# Altium PCB smoothieboard-alt.PcbDoc (part 1 of 3) (continued)
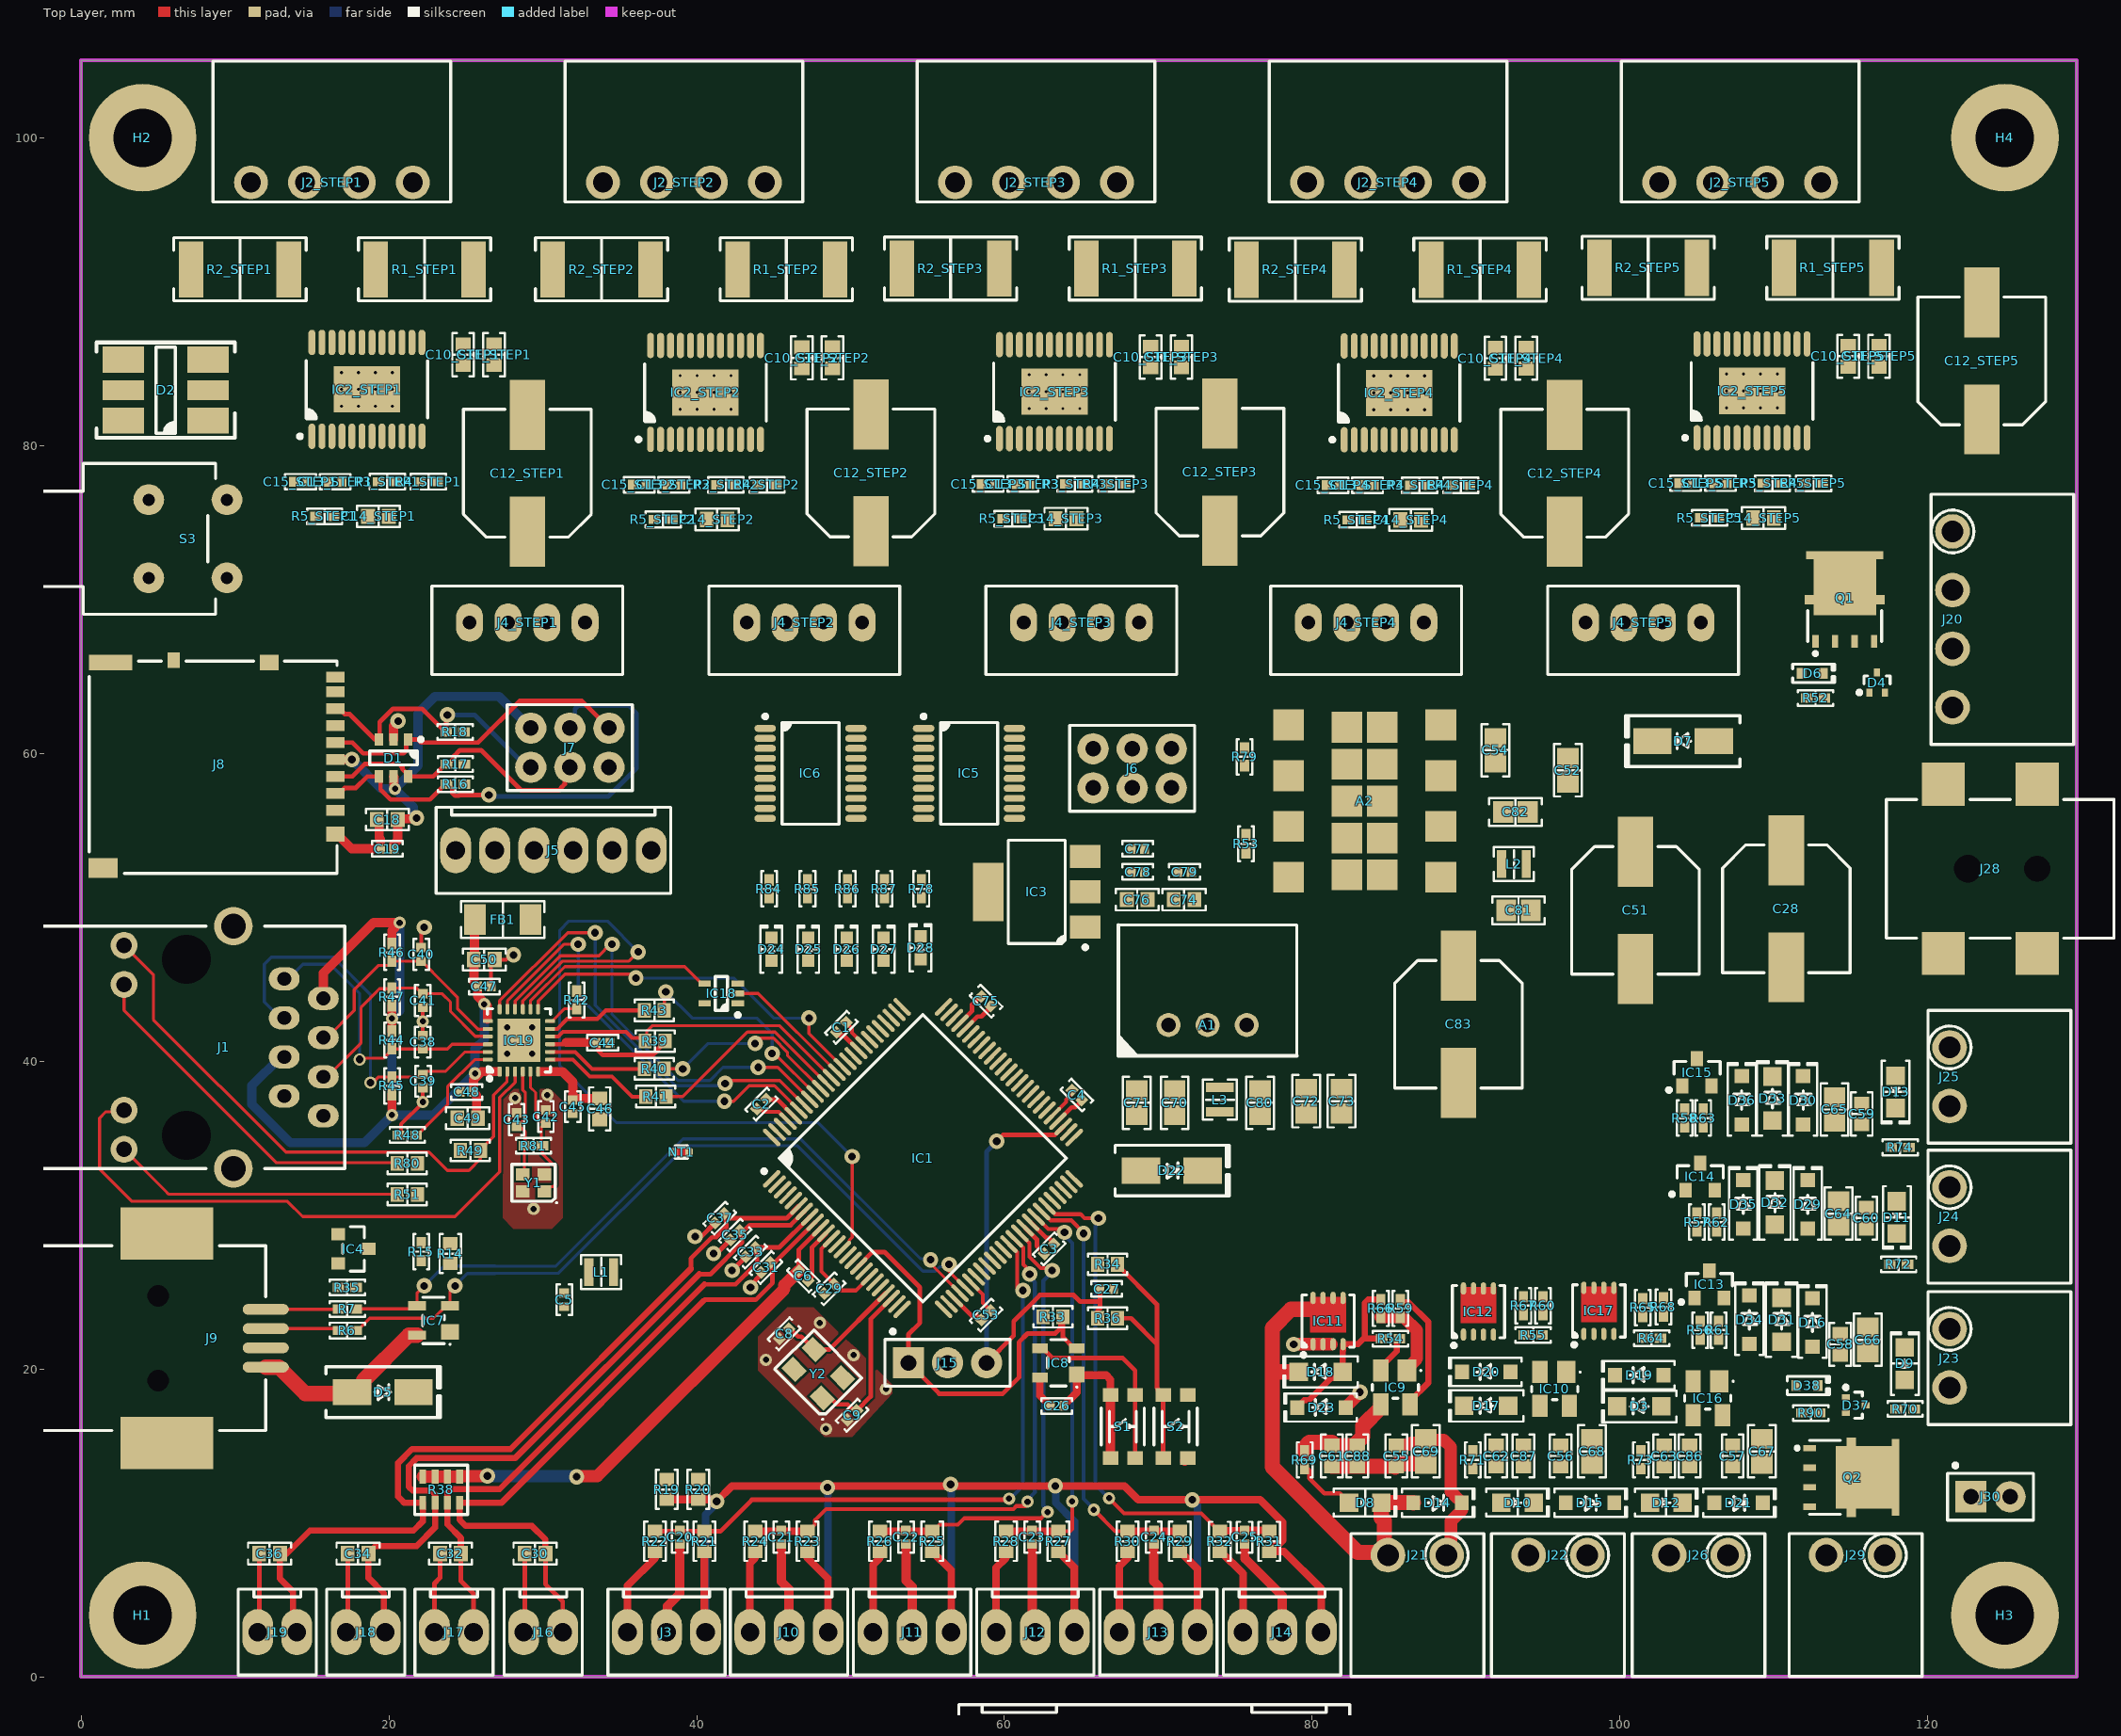
[diagram p0: Top Layer view]
## Components (designator, comment, footprint, x,y, rotation, side; value= is the part's Value field where it differs from the comment) (continued)
C48 "0.1µF" "CAP 0402_1005" 25.06,38 r0 top
C49 "1µF" "CAP 0603_1608" 25.125,36.3 r0 top
C50 "10µF" "CAP 0603_1608" 26.2,46.6 r180 top
C51 "68µF" "CAP ALSMD 8.3MM H10.5MM" 101,49.8 r270 top
C52 "0.1µF" "CAP 0805_2012" 96.6,58.9 r90 top
C53 "0.1µF" "CAP 0402_1005" 58.8,23.5 r225 top
C54 "10µF" "CAP 0805_2012" 91.9,60.2 r90 top
C55 "10µF" "CAP 0603_1608" 85.471,14.351 r90 top
C56 "10µF" "CAP 0603_1608" 96.139,14.351 r90 top
C57 "10µF" "CAP 0603_1608" 107.315,14.351 r90 top
C58 "10µF" "CAP 0603_1608" 114.3,21.6 r90 top
C59 "10µF" "CAP 0603_1608" 115.7,36.575 r90 top
C60 "10µF" "CAP 0603_1608" 116,29.8 r90 top
C61 "0.1µF" "CAP 0603_1608" 81.28,14.351 r90 top
C62 "0.1µF" "CAP 0603_1608" 91.948,14.351 r90 top
C63 "0.1µF" "CAP 0603_1608" 102.87,14.351 r90 top
C64 "1µF" "CAP 0805_2012" 114.188,30.1 r90 top
C65 "1µF" "CAP 0805_2012" 113.934,36.862 r90 top
C66 "1µF" "CAP 0805_2012" 116.1,21.9 r90 top
C67 "1µF" "CAP 0805_2012" 109.22,14.651 r90 top
C68 "1µF" "CAP 0805_2012" 98.171,14.651 r90 top
C69 "1µF" "CAP 0805_2012" 87.376,14.651 r90 top
C70 "22µF" "CAP 0805_2012" 71.058,37.3 r90 top
C71 "10µF" "CAP 0805_2012" 68.6,37.3 r90 top
C72 "470pF" "CAP 0805_2012" 79.6,37.4 r90 top
C73 "22µF" "CAP 0805_2012" 81.9,37.4 r270 top
C74 "10µF" "CAP 0603_1608" 71.675,50.5 r180 top
C75 "0.1µF" "CAP 0402_1005" 58.8,43.9 r315 top
C76 "10µF" "CAP 0603_1608" 68.625,50.5 r180 top
C77 "0.1µF" "CAP 0402_1005" 68.66,53.8 r180 top
C78 "0.1µF" "CAP 0402_1005" 68.66,52.3 r180 top
C79 "0.1µF" "CAP 0402_1005" 71.7,52.3 r180 top
C80 "4.7µF" "CAP 0805_2012" 76.6,37.3 r270 top
C81 "22µF" "CAP 0805_2012" 93.4,49.8 r180 top
C82 "10µF" "CAP 0805_2012" 93.2,56.2 r0 top
C83 "68µF" "CAP ALSMD 8.3MM H10.5MM" 89.5,42.4 r270 top
C84_STEP1 "0.1µF" "CAP 0402_1005" 97.911,115.482 r90 top (schematic designator C84)
C84_STEP2 "0.1µF" "CAP 0402_1005" 99.411,125.182 r90 top (schematic designator C84)
C84_STEP3 "0.1µF" "CAP 0402_1005" 99.411,134.882 r90 top (schematic designator C84)
C84_STEP4 "0.1µF" "CAP 0402_1005" 99.411,144.582 r90 top (schematic designator C84)
C84_STEP5 "0.1µF" "CAP 0402_1005" 99.411,154.182 r90 top (schematic designator C84)
C85_STEP1 "0.1µF" "CAP 0402_1005" 27.7,117.1 r90 top (schematic designator C85)
C85_STEP2 "0.1µF" "CAP 0402_1005" 69.511,125.182 r90 top (schematic designator C85)
C85_STEP3 "0.1µF" "CAP 0402_1005" 69.511,134.882 r90 top (schematic designator C85)
C85_STEP4 "0.1µF" "CAP 0402_1005" 69.511,144.582 r90 top (schematic designator C85)
C85_STEP5 "0.1µF" "CAP 0402_1005" 69.511,154.182 r90 top (schematic designator C85)
C86 "4.7µF" "CAP 0603_1608" 104.521,14.351 r90 top
C87 "4.7µF" "CAP 0603_1608" 93.726,14.351 r90 top
C88 "4.7µF" "CAP 0603_1608" 82.931,14.351 r90 top
D1 "DT1042-04SO-7" "DIODES SOT-23-6 W6" 20.3,59.7 r270 top
D2 "Red, Green, Blue (RGB)" "LED PLCC6-CREE 5.5X5.3MM" 5.5,83.6 r180 top
D3 "ATV02W360-HF" SOD123F 101.242,17.568 r180 top
D4 "BZX84C10T-7-F" "DIODES SOT-523" 116.7,64.6 r90 top
D5 "MBRA210LT3G" "DO214AC SMA" 19.6,18.5 r0 top
D6 "1SS400T5G" SOD-523 112.49,65.2 r0 top
D7 "MBRA210LT3G" "DO214AC SMA" 104.1,60.8 r180 top
D8 "Red" "LED 0805_2012 RED" 83.439,11.319 r0 top
D9 "Red" "LED 0805_2012 RED" 118.5,20.35 r90 top
D10 "Green" "LED 0805_2012 GREEN" 93.345,11.319 r0 top
D11 "Green" "LED 0805_2012 GREEN" 117.983,29.845 r270 top
D12 "Blue" "LED 0805_2012 BLUE" 102.997,11.319 r0 top
D13 "Blue" "LED 0805_2012 BLUE" 117.9,38 r270 top
D14 "1N6263W-7-F" SOD-123 88.138,11.303 r0 top
D15 "1N6263W-7-F" SOD-123 98.044,11.303 r0 top
D16 "1N6263W-7-F" SOD-123 112.5,23.025 r90 top
D17 "ATV02W360-HF" SOD123F 91.3,17.6 r180 top
D18 "ATV02W360-HF" SOD123F 80.544,19.808 r180 top
D19 "TV02W150B-G" SOD-123 101.25,19.6 r180 top
D20 "TV02W150B-G" SOD-123 91.3,19.8 r180 top
D21 "1N6263W-7-F" SOD-123 107.696,11.303 r0 top
D22 "MBRA210LT3G" "DO214AC SMA" 70.866,32.893 r0 top
D23 "TV02W150B-G" SOD-123 80.6,17.5 r180 top
D24 "Red" "LED 0603_1608 RED" 44.85,47.275 r90 top
D25 "Red" "LED 0603_1608 RED" 47.25,47.275 r90 top
D26 "Red" "LED 0603_1608 RED" 49.75,47.275 r90 top
D27 "Red" "LED 0603_1608 RED" 52.15,47.275 r90 top
D28 "Red" "LED 0603_1608 RED" 54.55,47.375 r90 top
D29 "1N6263W-7-F" SOD-123 112.2,30.7 r90 top
D30 "1N6263W-7-F" SOD-123 111.9,37.462 r90 top
D31 "SMF14A" SOD123F 110.5,23.2 r90 top
D32 "SMF14A" SOD123F 110.062,30.813 r90 top
D33 "SMF14A" SOD123F 109.9,37.575 r90 top
D34 "TV02W150B-G" SOD-123 108.4,23.2 r90 top
D35 "TV02W150B-G" SOD-123 108,30.7 r90 top
D36 "TV02W150B-G" SOD-123 107.9,37.462 r90 top
D37 "BZX84C10T-7-F" "DIODES SOT-523" 115.316,17.653 r0 top
D38 "1SS400T5G" SOD-523 112.141,18.923 r0 top
D39_STEP1 "SMF4L40CA" SOD123F 27.5,113.5 r90 top (schematic designator D39)
D39_STEP2 "SMF4L40CA" SOD123F 85.611,122.382 r90 top (schematic designator D39)
D39_STEP3 "SMF4L40CA" SOD123F 85.611,132.082 r90 top (schematic designator D39)
D39_STEP4 "SMF4L40CA" SOD123F 85.611,141.782 r90 top (schematic designator D39)
D39_STEP5 "SMF4L40CA" SOD123F 85.611,151.482 r90 top (schematic designator D39)
D40_STEP1 "SMF4L40CA" SOD123F 27.5,120.67 r90 top (schematic designator D40)
D40_STEP2 "SMF4L40CA" SOD123F 55.711,122.382 r90 top (schematic designator D40)
D40_STEP3 "SMF4L40CA" SOD123F 55.711,132.082 r90 top (schematic designator D40)
D40_STEP4 "SMF4L40CA" SOD123F 55.711,141.782 r90 top (schematic designator D40)
D40_STEP5 "SMF4L40CA" SOD123F 55.711,151.482 r90 top (schematic designator D40)
FB1 "946 Ohms @ 100MHz" "FER 1206_3216" 27.4,49.2 r180 top
G1 "OSH LOGO" OSH_LOGO -13.697,20.9 r0 top
G2 "OSH LOGO" OSH_LOGO -13.697,8.9 r0 top
H1 "PTH" PTH-M3.5 4,4 r0 top locked
H2 "PTH" PTH-M3.5 4,100 r0 top locked
H3 "PTH" PTH-M3.5 125,4 r0 top locked
H4 "PTH" PTH-M3.5 125,100 r0 top locked
IC1 "LPC1769FBD100,551" "NXP LQFP-100 14X14MM" 54.7,33.7 r45 top
IC2_STEP1 "A4982SLPTR-T" "ALLEGRO TSSOP-24 LP" 18.575,83.65 r90 top (schematic designator IC2)
IC2_STEP2 "A4982SLPTR-T" "ALLEGRO TSSOP-24 LP" 40.575,83.45 r90 top (schematic designator IC2)
IC2_STEP3 "A4982SLPTR-T" "ALLEGRO TSSOP-24 LP" 63.25,83.5 r90 top (schematic designator IC2)
IC2_STEP4 "A4982SLPTR-T" "ALLEGRO TSSOP-24 LP" 85.65,83.425 r90 top (schematic designator IC2)
IC2_STEP5 "A4982SLPTR-T" "ALLEGRO TSSOP-24 LP" 108.575,83.55 r90 top (schematic designator IC2)
IC3 "NCP1117LPST33T3G" "ON SEMI SOT-223 ST(318H)" 62.1,51 r180 top
IC4 "DMG2305UX-13" "DIODES SOT-23-3" 17.7,27.8 r0 top
IC5 "MCP4451-103E/ST" "MICROCHIP TSSOP-20 4.4MM BODY" 57.7,58.7 r0 top
IC6 "MCP4451-103E/ST" "MICROCHIP TSSOP-20 4.4MM BODY" 47.4,58.7 r0 top
IC7 "PRTR5V0U2X,215" SOT143B 22.902,23.152 r180 top
IC8 "STM6315MDW13F" "ST SOT-143-4" 63.5,20.4 r180 top
IC9 "MIC4416YM4-TR" "MICROCHIP SOT-143-4" 85.4,18.8 r270 top
IC10 "MIC4416YM4-TR" "MICROCHIP SOT-143-4" 95.75,18.7 r270 top
IC11 "BSZ0702LSATMA1" "INFINEON PG-TSDSON-8" 81.026,23.114 r90 top
IC12 "BSZ0702LSATMA1" "INFINEON PG-TSDSON-8" 90.797,23.73 r90 top
IC13 "IRLML0060TRPBF" "INFINEON SOT-23-3" 105.8,25.5 r90 top
IC14 "IRLML0060TRPBF" "INFINEON SOT-23-3" 105.2,32.5 r90 top
IC15 "IRLML0060TRPBF" "INFINEON SOT-23-3" 105,39.275 r90 top
IC16 "MIC4416YM4-TR" "MICROCHIP SOT-143-4" 105.7,18.1 r270 top
IC17 "BSZ0702LSATMA1" "INFINEON PG-TSDSON-8" 98.621,23.776 r90 top
IC18 "74AHC1G14SE-7" "DIODES INC - SOT353" 41.6,44.4 r180 top
IC19 "LAN8720AI-CP" "SMSC QFN-24 4X4MM" 28.45,41.35 r90 top
J1 "ARJC02-111008B" "ABRACON ARJC02-111008B" 6.6,40.9 r270 top locked
J2_STEP1 "0395021004" "MOLEX 395021004" 16.3,100.4 r0 top (schematic designator J2)
J2_STEP2 "0395021004" "MOLEX 395021004" 39.175,100.4 r0 top (schematic designator J2)
J2_STEP3 "0395021004" "MOLEX 395021004" 62.05,100.4 r0 top (schematic designator J2)
J2_STEP4 "0395021004" "MOLEX 395021004" 84.925,100.4 r0 top (schematic designator J2)
J2_STEP5 "0395021004" "MOLEX 395021004" 107.8,100.4 r0 top (schematic designator J2)
J3 "0022272031" "MOLEX KK 0022272031" 38.04,2.9 r180 top
J4_STEP1 "B4B-XH-A(LF)(SN)" "JST XH B4B-XH-A" 29,68.5 r0 top (schematic designator J4)
J4_STEP2 "B4B-XH-A(LF)(SN)" "JST XH B4B-XH-A" 47,68.5 r0 top (schematic designator J4)
J4_STEP3 "B4B-XH-A(LF)(SN)" "JST XH B4B-XH-A" 65,68.5 r0 top (schematic designator J4)
J4_STEP4 "B4B-XH-A(LF)(SN)" "JST XH B4B-XH-A" 83.5,68.5 r0 top (schematic designator J4)
J4_STEP5 "B4B-XH-A(LF)(SN)" "JST XH B4B-XH-A" 101.5,68.5 r0 top (schematic designator J4)
J5 "0022272061" "MOLEX KK 0022272061" 30.69,53.7 r180 top
J6 "'" PROG_PORT 65.76,60.3 r0 top
J7 "'" PROG_PORT 29.22,61.64 r0 top
J8 "DM3AT-SF-PEJM5" "HIROSE DM3AT-SF-PEJM5" 8.7,59.5 r270 top locked
J9 "M701-370442" "HARWIN USB M701-370442" 5,22 r270 top locked
J10 "0022272031" "MOLEX KK 0022272031" 46,2.9 r180 top
J11 "0022272031" "MOLEX KK 0022272031" 54,2.9 r180 top
J12 "0022272031" "MOLEX KK 0022272031" 62,2.9 r180 top
J13 "0022272031" "MOLEX KK 0022272031" 70,2.9 r180 top
J14 "0022272031" "MOLEX KK 0022272031" 78.04,2.9 r180 top
J15 "JUMP1X3" JUMP1X3 53.76,20.4 r0 top
J16 "0022272021" "MOLEX KK 0022272021" 30.03,2.9 r180 top
J17 "0022272021" "MOLEX KK 0022272021" 24.23,2.9 r180 top
J18 "0022272021" "MOLEX KK 0022272021" 18.5,2.9 r180 top
J19 "0022272021" "MOLEX KK 0022272021" 12.75,2.9 r180 top
J20 "OQ0432510000G" "FCI 06-381-4PIN" 124.902,68.705 r270 top
J21 "OQ0232510000G" "FCI 06-381-2PIN" 86.826,4.6 r180 top
J22 "OQ0232510000G" "FCI 06-381-2PIN" 95.963,4.6 r180 top
J23 "OQ0232510000G" "FCI 06-381-2PIN" 124.714,20.701 r270 top
J24 "OQ0232510000G" "FCI 06-381-2PIN" 124.714,29.9 r270 top
J25 "OQ0232510000G" "FCI 06-381-2PIN" 124.714,38.989 r270 top
J26 "OQ0232510000G" "FCI 06-381-2PIN" 105.1,4.6 r180 top
J27 "0022272101" "MOLEX KK 0022272101" 69.73,-4.6 r180 top
J28 "PJ-002AH-SMT-TR" "CUI PJ-002AH-SMT-TR" 124.85,52.5 r180 top
J29 "OQ0232510000G" "FCI 06-381-2PIN" 115.3,4.6 r180 top
J30 "JUMP1X2" JUMP1X2 122.8,11.7 r0 top
L1 "6.8µH" "IND 0806_2016" 33.8,26.3 r0 top
L2 "15µH" "IND 0806_2016" 93.1,52.8 r0 top
L3 "15µH" "IND 0806_2016" 74,37.5 r270 top
NT1 "NETTIE" NETTIE 38.5,34.1 r0 top net-tie
NT2 "NETTIE" NETTIE 287.5,19.25 r90 top net-tie
Q1 "SQJ459EP-T1_GE3" "POWER PAK SO-8" 112.695,67.284 r0 top
Q2 "SQJ459EP-T1_GE3" "POWER PAK SO-8" 112.308,14.859 r270 top
R1_STEP1 "50 mOhms" "RES 2512_6432" 22.325,91.45 r0 top (schematic designator R1)
R1_STEP2 "50 mOhms" "RES 2512_6432" 45.825,91.45 r0 top (schematic designator R1)
R1_STEP3 "50 mOhms" "RES 2512_6432" 68.5,91.5 r0 top (schematic designator R1)
R1_STEP4 "50 mOhms" "RES 2512_6432" 90.9,91.425 r0 top (schematic designator R1)
R1_STEP5 "50 mOhms" "RES 2512_6432" 113.825,91.55 r0 top (schematic designator R1)
R2_STEP1 "50 mOhms" "RES 2512_6432" 10.325,91.45 r180 top (schematic designator R2)
R2_STEP2 "50 mOhms" "RES 2512_6432" 33.825,91.45 r180 top (schematic designator R2)
R2_STEP3 "50 mOhms" "RES 2512_6432" 56.5,91.5 r180 top (schematic designator R2)
R2_STEP4 "50 mOhms" "RES 2512_6432" 78.9,91.425 r180 top (schematic designator R2)
R2_STEP5 "50 mOhms" "RES 2512_6432" 101.825,91.55 r180 top (schematic designator R2)
R3_STEP1 "10 kOhms" "RES 0402_1005" 19.9,77.65 r0 top (schematic designator R3)
R3_STEP2 "10 kOhms" "RES 0402_1005" 41.9,77.45 r0 top (schematic designator R3)
R3_STEP3 "10 kOhms" "RES 0402_1005" 64.575,77.5 r0 top (schematic designator R3)
R3_STEP4 "10 kOhms" "RES 0402_1005" 86.975,77.425 r0 top (schematic designator R3)
R3_STEP5 "10 kOhms" "RES 0402_1005" 109.9,77.55 r0 top (schematic designator R3)
R4_STEP1 "10 kOhms" "RES 0402_1005" 22.575,77.65 r180 top (schematic designator R4)
R4_STEP2 "10 kOhms" "RES 0402_1005" 44.575,77.45 r180 top (schematic designator R4)
R4_STEP3 "10 kOhms" "RES 0402_1005" 67.25,77.5 r180 top (schematic designator R4)
R4_STEP4 "10 kOhms" "RES 0402_1005" 89.65,77.425 r180 top (schematic designator R4)
R4_STEP5 "10 kOhms" "RES 0402_1005" 112.575,77.55 r180 top (schematic designator R4)
R5_STEP1 "10 kOhms" "RES 0402_1005" 15.825,75.4 r0 top (schematic designator R5)
R5_STEP2 "10 kOhms" "RES 0402_1005" 37.825,75.2 r0 top (schematic designator R5)
R5_STEP3 "10 kOhms" "RES 0402_1005" 60.5,75.25 r0 top (schematic designator R5)
R5_STEP4 "10 kOhms" "RES 0402_1005" 82.9,75.175 r0 top (schematic designator R5)
R5_STEP5 "10 kOhms" "RES 0402_1005" 105.825,75.3 r0 top (schematic designator R5)
R6 "33 Ohms" "RES 0402_1005" 17.3,22.5 r180 top
R7 "33 Ohms" "RES 0402_1005" 17.3,23.9 r180 top
R8 "10 kOhms" "RES 0402_1005" 145.991,64.635 r0 top
R9 "2.2 kOhms" "RES 0402_1005" 148.935,64.635 r0 top
R10 "2.2 kOhms" "RES 0402_1005" 135.344,64 r90 top
R11 "33 kOhms" "RES 0402_1005" 140.366,64 r90 top
R12 "33 kOhms" "RES 0402_1005" 138.692,64 r90 top
R13 "10 kOhms" "RES 0402_1005" 137.018,64 r90 top
R14 "10 kOhms" "RES 0603_1608" 24,27.5 r90 top
R15 "2.2 kOhms" "RES 0402_1005" 22.1,27.625 r90 top
R16 "10 kOhms" "RES 0402_1005" 24.325,58 r180 top
R17 "10 kOhms" "RES 0402_1005" 24.325,59.3 r180 top
R18 "10 kOhms" "RES 0402_1005" 24.3,61.4 r180 top
R19 "0 Ohms" "RES 0603_1608" 38.055,12.177 r270 top
R20 "NP" "RES 0603_1608" 40.113,12.177 r270 top
R21 "10 kOhms" "RES 0603_1608" 40.5,8.801 r90 top
R22 "330 Ohms" "RES 0603_1608" 37.3,8.801 r270 top
R23 "10 kOhms" "RES 0603_1608" 47.2,8.801 r90 top
R24 "330 Ohms" "RES 0603_1608" 43.8,8.801 r270 top
R25 "10 kOhms" "RES 0603_1608" 55.3,8.801 r90 top
R26 "330 Ohms" "RES 0603_1608" 51.9,8.801 r270 top
R27 "10 kOhms" "RES 0603_1608" 63.5,8.801 r90 top
R28 "330 Ohms" "RES 0603_1608" 60.1,8.801 r270 top
R29 "10 kOhms" "RES 0603_1608" 71.4,8.801 r90 top
R30 "330 Ohms" "RES 0603_1608" 68,8.801 r270 top
R31 "10 kOhms" "RES 0603_1608" 77.2,8.8 r90 top
R32 "330 Ohms" "RES 0603_1608" 74,8.8 r270 top
R33 "10 kOhms" "RES 0603_1608" 63.15,23.4 r180 top
R34 "10 kOhms" "RES 0603_1608" 66.7,26.8 r0 top
R35 "1.5 kOhms" "RES 0402_1005" 17.3,25.3 r180 top
R36 "330 Ohms" "RES 0603_1608" 66.7,23.3 r0 top
R37 "10 kOhms" "RES 0603_1608" 143.119,77.449 r90 top
R38 "RAVF164DJT4K70" "RESNET 1206-8 CONVEX" 23.4,12.15 r90 top
R39 "10 kOhms" "RES 0603_1608" 37.3,41.3 r0 top
R40 "22 Ohms" "RES 0603_1608" 37.25,39.5 r0 top
R41 "22 Ohms" "RES 0603_1608" 37.35,37.7 r0 top
R42 "1.5 kOhms" "RES 0402_1005" 32.2,43.975 r270 top
R43 "22 Ohms" "RES 0603_1608" 37.25,43.3 r0 top
R44 "49.9 Ohms" "RES 0402_1005" 20.2,41.375 r90 top
R45 "49.9 Ohms" "RES 0402_1005" 20.2,38.4 r270 top
R46 "49.9 Ohms" "RES 0402_1005" 20.2,47.075 r90 top
R47 "49.9 Ohms" "RES 0402_1005" 20.2,44.175 r270 top
R48 "12.1 kOhms" "RES 0402_1005" 21.2,35.2 r0 top
R49 "10 kOhms" "RES 0603_1608" 25.3,34.2 r180 top
R50 "330 Ohms" "RES 0603_1608" 141.061,77.449 r90 top
R51 "330 Ohms" "RES 0603_1608" 21.2,31.35 r0 top
R52 "10 kOhms" "RES 0402_1005" 112.7,63.6 r0 top
R53 "2.7 kOhms" "RES 0402_1005" 75.7,54.125 r270 top
R54 "24 Ohms" "RES 0402_1005" 85.09,21.971 r180 top
R55 "24 Ohms" "RES 0402_1005" 94.353,22.206 r180 top
R56 "24 Ohms" "RES 0402_1005" 105.2,22.525 r90 top
R57 "24 Ohms" "RES 0402_1005" 105,29.543 r90 top
R58 "24 Ohms" "RES 0402_1005" 104.2,36.305 r90 top
R59 "10 kOhms" "RES 0402_1005" 85.725,23.936 r90 top
R60 "10 kOhms" "RES 0402_1005" 94.988,24.111 r90 top
R61 "10 kOhms" "RES 0402_1005" 106.4,22.525 r90 top
R62 "10 kOhms" "RES 0402_1005" 106.274,29.543 r90 top
R63 "10 kOhms" "RES 0402_1005" 105.4,36.305 r90 top
R64 "24 Ohms" "RES 0402_1005" 102.05,21.998 r180 top
R65 "10 kOhms" "RES 0402_1005" 101.475,23.99 r90 top
R66 "10 kOhms" "RES 0402_1005" 84.455,23.936 r90 top
R67 "10 kOhms" "RES 0402_1005" 93.718,24.111 r90 top
R68 "10 kOhms" "RES 0402_1005" 102.812,24.03 r270 top
R69 "1 kOhms" "RES 0402_1005" 79.502,14.094 r270 top
R70 "1 kOhms" "RES 0402_1005" 118.525,17.4 r0 top
R71 "1 kOhms" "RES 0402_1005" 90.424,14.094 r270 top
R72 "1 kOhms" "RES 0402_1005" 118.1,26.8 r0 top
R73 "1 kOhms" "RES 0402_1005" 101.346,14.094 r270 top
R74 "1 kOhms" "RES 0402_1005" 118.2,34.4 r0 top
R75 "5.9 Ohms" "RES 0402_1005" 156.565,77.576 r90 top
R76 "5.9 Ohms" "RES 0402_1005" 154.891,77.576 r90 top
R77 "66.5 Ohms" "RES 0402_1005" 153.217,77.576 r90 top
R78 "130 Ohms" "RES 0402_1005" 54.6,51.2 r270 top
R79 "243 kOhms" "RES 0402_1005" 75.6,59.775 r90 top
R80 "330 Ohms" "RES 0603_1608" 21.2,33.35 r0 top
R81 "1 MOhms" "RES 0402_1005" 29.4,34.5 r0 top
R82 "0 Ohms" "RES 0603_1608" 147.235,77.449 r90 top
R83 "NP" "RES 0603_1608" 151.351,77.449 r90 top
R84 "130 Ohms" "RES 0402_1005" 44.7,51.2 r270 top
R85 "130 Ohms" "RES 0402_1005" 47.2,51.2 r270 top
R86 "130 Ohms" "RES 0402_1005" 49.8,51.2 r270 top
R87 "130 Ohms" "RES 0402_1005" 52.2,51.2 r270 top
R88 "0 Ohms" "RES 0603_1608" 136.5,84.1 r90 top
R89 "0 Ohms" "RES 0603_1608" 134.1,84.3 r90 top
R90 "10 kOhms" "RES 0402_1005" 112.395,17.145 r180 top
S1 "KMR741NG ULC LFS" "C&K KMR7" 67.691,16.256 r270 top
S2 "KMR741NG ULC LFS" "C&K KMR7" 71.12,16.256 r270 top
S3 "AB11AH-HC" "NKK AB11AH-HC" 4.4,73.94 r90 top
Y1 "25MHz" "KYOCERA CX2016DB" 29.4,32.1 r180 top
Y2 "12MHz" "KYOCERA CX3225GB" 47.9,19.7 r135 top

## Footprints (in the part's own frame and the unit in brackets; to place one, negate y for a bottom-side part, rotate by r counter-clockwise, add the part's x,y. Pads: shape width x height; smd on the part's side, far side on the other; paste and mask are expansions set on the pad)
"ABRACON ARJC02-111008B" [mm]
  oval 1.5x2 hole 0.9: 1(-4.445,6.6) 2(-3.175,9.14) 3(-1.905,6.6) 4(-0.635,9.14) 5(0.635,6.6) 6(1.905,9.14) 7(3.175,6.6) 8(4.445,9.14)
  round 1.75 hole 1.02: 9(-6.63,-3.81) 10(-4.09,-3.81) 11(4.09,-3.81) 12(6.63,-3.81)
  round 0 hole 3.2 unplated: M(-5.715,0.25) M(5.715,0.25)
  round 2.5 hole 1.6: S(-7.875,3.3) S(7.875,3.3)
  silkscreen extent -7.87,-10.54 7.87,10.54, body extent -10.34,-10.55 10.34,10.55, height 16.07
"ALLEGRO TSSOP-24 LP" [mm] "TSSOP, 24-Leads, Body 7.80x4.40mm, Pitch 0.65mm, Thermal Pad 4.32x3.00mm, IPC Medium Density"
  oval 1.65x0.45 smd: 1(-3.05,3.575) 2(-3.05,2.925) 3(-3.05,2.275) 4(-3.05,1.625) 5(-3.05,0.975) 6(-3.05,0.325) 7(-3.05,-0.325) 8(-3.05,-0.975) 9(-3.05,-1.625) 10(-3.05,-2.275) 11(-3.05,-2.925) 12(-3.05,-3.575) 13(3.05,-3.575) 14(3.05,-2.925) 15(3.05,-2.275) 16(3.05,-1.625) 17(3.05,-0.975) 18(3.05,-0.325) 19(3.05,0.325) 20(3.05,0.975) 21(3.05,1.625) 22(3.05,2.275) 23(3.05,2.925) 24(3.05,3.575)
  rect 3x4.32 smd: 25(0,0)
  silkscreen extent -3.17,-3.95 1.85,4.47, body extent -3.21,-3.9 3.21,3.9, height 1.2
"C&K KMR7" [mm] "T-Switch, 4-leads, body 4.2x2.8mm, C&K KMR741NG ULC LFS"
  rect 0.9x1 smd mask+0.1: 1(-2.05,0.8) 2(2.05,0.8) 3(-2.05,-0.8) 4(2.05,-0.8)
  silkscreen extent -1.2,-1.4 1.2,1.4, body extent -2.3,-1.4 2.3,1.4, height 2.5
"CAP 0402_1005" [mm] "Chip Capacitor, 2-Leads, Body 1.02x0.51mm, IPC Medium Density"
  rect 0.6x0.64 smd: 1(-0.44,0) 2(0.44,0)
  silkscreen extent -1,-0.5 1,0.5, body extent -0.5,-0.26 0.5,0.26, height 0.52
"CAP 0603_1608" [mm] "Chip Capacitor, 2-Leads, Body 1.60x0.80mm, IPC Medium Density"
  rect 0.9x1 smd: 1(-0.675,0) 2(0.675,0)
  silkscreen extent -1.4,-0.7 1.4,0.7, body extent -0.8,-0.41 0.8,0.41, height 0.82
"CAP 0805_2012" [mm] "Chip Capacitor, 2-Leads, Body 2.00x1.20mm, IPC Medium Density"
  rect 1.3x1.4 smd: 1(-0.8,0) 2(0.8,0)
  silkscreen extent -1.7,-0.9 1.7,0.9, body extent -1,-0.64 1,0.64, height 1.26
"CAP ALSMD 8.3MM H10.5MM" [mm] "Aluminum Electrolytic Capacitor, Body 8.30x8.30x10.50mm, IPC Low Density"
  rect 4.55x2.3 smd: 1(-3.8,0) 2(3.8,0)
  silkscreen extent -4.15,-4.15 4.15,4.15, body extent -4.95,-4.15 4.95,4.15, height 10.5
"CUI PJ-002AH-SMT-TR" [mm]
  rect 2.8x2.8 smd: 1(-2.25,5.5) 1(3.85,5.5) 2(-2.25,-5.5) 3(3.85,-5.5)
  round 0 hole 1.7 unplated: M(-2.25,0)
  round 0 hole 1.8 unplated: M(2.25,0)
  silkscreen extent -7.25,-4.5 7.55,4.5, body extent -7.25,-6.3 7.55,6.3, height 11.4
"DIODES INC - SOT353" [mm] "SOT353, 5-Leads, Body 2.00x2.10mm, Pitch 0.65mm, IPC Medium Density"
  rect 0.8x0.4 smd: 1(-1.075,0.65) 2(-1.075,0) 3(-1.075,-0.65) 4(1.075,-0.65) 5(1.075,0.65)
  silkscreen extent -1.2,-1.1 0.4,1.52, body extent -1.12,-1 1.12,1, height 1.1
"DIODES SOT-23-3" [mm] "SOT23, 3-Leads, Body 2.90x2.40mm, Pitch 0.95mm, IPC Medium Density"
  rect 0.9x0.8 smd: 1(-1,0.95) 2(-1,-0.95) 3(1,0)
  silkscreen extent -0.7,-1.45 0.7,1.45, body extent -1.41,-1.45 1.41,1.45, height 1.5
"DIODES SOT-23-6 W6" [mm] "SOT23, 6-Leads, Body 3.00x2.85mm, Pitch 0.95mm, IPC Medium Density"
  rect 0.8x0.55 smd: 1(-1.2,0.95) 2(-1.2,0) 3(-1.2,-0.95) 4(1.2,-0.95) 5(1.2,0) 6(1.2,0.95)
  silkscreen extent -1.32,-1.55 0.45,1.9, body extent -1.19,-1.45 1.2,1.45, height 1
"DIODES SOT-523" [mm] "SOT523, 3-Leads, Body 0.8x1.60mm, Pitch 0.50mm, IPC Medium Density"
  rect 0.51x0.4 smd: 1(-0.65,0.5) 2(0.65,0) 3(-0.65,-0.5)
  silkscreen extent -0.77,-0.85 0.42,1.27, body extent -0.81,-0.8 0.81,0.8, height 0.82
"DO214AC SMA" [mm] "Molded Diode, 2-Leads, Body 4.30x2.60mm, IPC Medium Density"
  rect 2.5x1.7 smd: 1(-2,0) 2(2,0)
  silkscreen extent -3.68,-1.65 3.75,1.65, body extent -2.6,-1.37 2.6,1.37, height 2.4
"FCI 06-381-2PIN" [mm] "FCI Pluggable Terminal Block"
  round 2.25 hole 1.4: 1(-1.905,-3.302) 2(1.905,-3.302)
  silkscreen extent -4.32,-4.7 4.32,4.57, body extent -4.4,-4.7 4.4,4.5, height 7.6
"FCI 06-381-4PIN" [mm] "FCI Pluggable Terminal Block"
  round 2.25 hole 1.4: 1(-5.715,-3.302) 2(-1.905,-3.302) 3(1.905,-3.302) 4(5.715,-3.302)
  silkscreen extent -8.13,-4.7 8.13,4.57, body extent -8.21,-4.7 8.22,4.5, height 7.6
"FER 1206_3216" [mm] "Chip Ferrite, 2-Leads, Body 3.20x1.60mm, IPC Medium Density"
  rect 1.4x2 smd: 1(-1.8,0) 2(1.8,0)
  silkscreen extent -2.7,-1.2 2.7,1.2, body extent -1.65,-0.85 1.65,0.85, height 1.3
"HARWIN USB M701-370442" [mm]
  oval 0.7x3 smd: 1(1.875,7) 2(-0.625,7) 3(-1.875,7) 4(0.625,7)
  rect 0x0 hole 1.4 unplated: M(-2.75,0) M(2.75,0)
  rect 3.4x6.04 smd: S(-6.8,0.58) S(6.8,0.58)
  silkscreen extent -6,-9 6,7, body extent -8.1,-9 8.1,8.15, height 11
"HIROSE DM3AT-SF-PEJM5" [mm]
  rect 0.7x1.2 smd: 1(3.2,7.825) 2(2.1,7.825) 3(1,7.825) 4(-0.1,7.825) 5(-1.2,7.825) 6(-2.3,7.825) 7(-3.4,7.825) 8(-4.5,7.825) 9(-5.45,7.825)
  rect 1x0.8 smd: 10(-6.55,-2.675)
  rect 1x1.2 smd: S(-6.4,3.525) S(4.75,7.825)
  rect 1x2.8 smd: S(-6.4,-6.775)
  rect 1.3x1.9 smd: S(6.95,-7.275)
  silkscreen extent -6.5,-8.18 7.3,7.93, body extent -6.52,-8.18 7.32,7.97, height 1.68
"IND 0806_2016" [mm] "Chip Capacitor, 2-Leads, Body 2.00x1.20mm, IPC Medium Density"
  rect 0.6x1.8 smd: 1(-0.8,0) 2(0.8,0)
  silkscreen extent -1.3,-1.1 1.3,1.1, body extent -1.01,-0.91 1.01,0.91, height 1.81
"INFINEON PG-TSDSON-8" [mm] "PG-TSDSOFN, 8-Leads, Body 3.30x3.30mm, Pitch 0.65mm, Thermal Pad 1.70x1.70mm, IPC Medium Density"
  oval 0.8x0.34 smd: 1(-1.5,0.975) 2(-1.5,0.325) 3(-1.5,-0.325) 4(-1.5,-0.975) 5(1.5,-0.975) 6(1.5,-0.325) 7(1.5,0.325) 8(1.5,0.975)
  Top Layer region: -0.725,1.15 1.575,1.15 1.575,-1.15 -0.725,-1.15
  silkscreen extent -2.32,-1.7 1.7,1.72, body extent -1.7,-1.7 1.7,1.7, height 1.1
"INFINEON SOT-23-3" [mm] "SOT23, 3-Leads, Body 2.90x2.40mm, Pitch 0.95mm, IPC Medium Density"
  rect 0.972x0.802 smd: 1(-0.885,0.95) 2(-0.885,-0.95) 3(0.885,0)
  silkscreen extent -1.27,-1.5 0.7,1.95, body extent -1.16,-1.45 1.16,1.45, height 1
"JST XH B4B-XH-A" [mm]
  oval 1.75x2.5 hole 0.9: 1(-3.75,0) 2(-1.25,0) 3(1.25,0) 4(3.75,0)
  silkscreen extent -6.2,-3.38 6.2,2.38, body extent -6.2,-3.38 6.2,2.38, height 7
JUMP1X2 [mil] "JUMPER, 1X3"
  rect 80x80 hole 40: 1(0,0)
  round 80 hole 40: 2(100,0)
  silkscreen extent -60,-60 160,85
JUMP1X3 [mil] "JUMPER, 1X3"
  rect 80x80 hole 40: 1(0,0)
  round 80 hole 40: 2(100,0) 3(200,0)
  silkscreen extent -60,-60 260,85
"KYOCERA CX2016DB" [mm] "Crystal, 4-Leads, Body 1.60x2.00mm, Pitch 1.40mm, IPC Medium Density"
  rect 0.9x0.8 smd: 1(-0.7,0.55) 2(-0.7,-0.55) 3(0.7,-0.55) 4(0.7,0.55)
  silkscreen extent -1.55,-1.2 1.4,1.35, body extent -1.02,-0.82 1.03,0.83, height 0.4
"KYOCERA CX3225GB" [mm] "Crystal, 4-Leads, Body 2.50x3.20mm, Pitch 2.20mm, IPC Medium Density"
  rect 1.3x1.05 smd: 1(-1.3,0.925) 2(-1.3,-0.925) 3(1.3,-0.925) 4(1.3,0.925)
  silkscreen extent -2.35,-1.8 2.2,1.95, body extent -1.61,-1.26 1.61,1.26, height 0.85
"LED 0603_1608 RED" [mm] "Chip Diode, 2-Leads, Body 1.60x0.80mm, IPC Medium Density"
  rect 0.8x0.8 smd: 1(-0.75,0) 2(0.75,0)
  silkscreen extent -1.52,-0.7 1.52,0.7, body extent -0.8,-0.4 0.8,0.4, height 0.53
"LED 0805_2012 BLUE" [mm] "Chip Diode, 2-Leads, Body 2.00x1.25mm, IPC Medium Density"
  rect 1.2x1.2 smd: 1(-1.05,0) 2(1.05,0)
  silkscreen extent -2.03,-0.9 2.03,0.9, body extent -1,-0.62 1,0.63, height 0.9
"LED 0805_2012 GREEN" [mm] "Chip Diode, 2-Leads, Body 2.00x1.25mm, IPC Medium Density"
  rect 1.2x1.2 smd: 1(-1.05,0) 2(1.05,0)
  silkscreen extent -2.03,-0.9 2.03,0.9, body extent -1,-0.62 1,0.63, height 0.9
"LED 0805_2012 RED" [mm] "Chip Diode, 2-Leads, Body 2.00x1.25mm, IPC Medium Density"
  rect 1.2x1.2 smd: 1(-1.05,0) 2(1.05,0)
  silkscreen extent -2.03,-0.9 2.03,0.9, body extent -1,-0.62 1,0.63, height 0.9
"LED PLCC6-CREE 5.5X5.3MM" [mm] "SOJ, 6-Leads, Body 5.60x5.50mm, Pitch 1.80mm, IPC Medium Density"
  rect 2.7x1.7 smd: 1(-2.75,1.975) 3(-2.75,-1.975) 4(2.75,-1.975) 6(2.75,1.975)
  rect 2.7x1.3 smd: 2(-2.75,0) 5(2.75,0)
  silkscreen extent -4.5,-3.1 4.5,3.1, body extent -2.75,-2.75 2.75,2.75, height 2.6
"MICROCHIP SOT-143-4" [mm] "SOT143, 4-Leads, Body 2.92x2.37mm, Pitch 1.90mm, IPC Medium Density"
  rect 1.44x1.2 smd: 1(-1.1,0.75)
  rect 1.44x1 smd: 2(-1.1,-0.95) 3(1.1,-0.95) 4(1.1,0.95)
  silkscreen extent -1.15,-1.5 0.7,1.7, body extent -1.19,-1.46 1.19,1.46, height 1.05
"MICROCHIP TSSOP-20 4.4MM BODY" [mm] "TSSOP, 20-Leads, Body 6.50x4.40mm, Pitch 0.65mm, IPC Medium Density"
  oval 1.4x0.45 smd: 1(-2.95,2.925) 2(-2.95,2.275) 3(-2.95,1.625) 4(-2.95,0.975) 5(-2.95,0.325) 6(-2.95,-0.325) 7(-2.95,-0.975) 8(-2.95,-1.625) 9(-2.95,-2.275) 10(-2.95,-2.925) 11(2.95,-2.925) 12(2.95,-2.275) 13(2.95,-1.625) 14(2.95,-0.975) 15(2.95,-0.325) 16(2.95,0.325) 17(2.95,0.975) 18(2.95,1.625) 19(2.95,2.275) 20(2.95,2.925)
  silkscreen extent -3.07,-3.3 1.85,3.82, body extent -3.21,-3.25 3.21,3.25, height 1.1
"MOLEX 395021004" [mil] "4 Position Terminal Block Header, Male Pins, 3.5mm Pitch,15.44mmx9.2mm Body, 90°, Right Angle, THT"
  round 86.61 hole 51: 1(-207,-130) 2(-69,-130) 3(69,-130) 4(207,-130)
  silkscreen extent -304,-180 304,180, body extent -304,-180 304,180, height 280
"MOLEX KK 0022272021" [mm]
  oval 2x3 hole 1.2: 1(-1.27,0) 2(1.27,0)
  silkscreen extent -2.54,-2.79 2.54,2.79, body extent -2.54,-2.9 2.54,2.9, height 11.7
"MOLEX KK 0022272031" [mm]
  oval 2x3 hole 1.2: 1(-2.54,0) 2(0,0) 3(2.54,0)
  silkscreen extent -3.81,-2.79 3.81,2.79, body extent -3.81,-2.9 3.81,2.9, height 11.7
"MOLEX KK 0022272061" [mm]
  oval 2x3 hole 1.2: 1(-6.35,0) 2(-3.81,0) 3(-1.27,0) 4(1.27,0) 5(3.81,0) 6(6.35,0)
  silkscreen extent -7.62,-2.79 7.62,2.79, body extent -7.62,-2.9 7.62,2.9, height 11.7
"MOLEX KK 0022272101" [mm]
  oval 2x3 hole 1.2: 1(-11.43,0) 2(-8.89,0) 3(-6.35,0) 4(-3.81,0) 5(-1.27,0) 6(1.27,0) 7(3.81,0) 8(6.35,0) 9(8.89,0) 10(11.43,0)
  silkscreen extent -12.7,-2.79 12.7,2.79, body extent -12.7,-2.9 12.7,2.9, height 11.7
"MPS LGA-18 12x12x4.2mm" [mm] "LGA 18 leads 12 x 12 x 4.2mm, IPC Medium Density"
  rect 2x2 smd: 1(-4.95,4.95) 2(-4.95,1.65) 3(-4.95,-1.65) 4(-4.95,-4.95) 5(4.95,-4.95) 6(4.95,-1.65) 7(4.95,1.65) 8(4.95,4.95) 9(-1.15,4.8) 10(-1.15,2.4) 11(-1.15,0) 12(-1.15,-2.4) 13(-1.15,-4.8) 14(1.15,-4.8) 15(1.15,-2.4) 16(1.15,0) 17(1.15,2.4) 18(1.15,4.8)
  body extent -6.05,-6.05 6.05,6.05, height 5.1
NETTIE [mm] "NETTIE .5mm"
  rrect50% 0.5x0.5 smd paste+0 mask+0.102: 1(0,0) 2(1,0)
  Top Layer lines w0.5: 0,0 1,0
  silkscreen extent 0.1,-0.4 0.9,0.4
"NKK AB11AH-HC" [mm]
  round 2 hole 0.8: 1(2.54,-5.08) 2(2.54,0) 3(-2.54,-5.08) 4(-2.54,0)
  silkscreen extent -4.9,-4.34 4.9,8.76, body extent -4.9,-5.39 4.9,15.08, height 7.06
"NXP LQFP-100 14X14MM" [mm] "TQFP, 100-Leads, Body 14.00x14.00mm, Pitch 0.50mm, IPC Medium Density"
  oval 1.5x0.28 smd: 1(-7.9,6) 2(-7.9,5.5) 3(-7.9,5) 4(-7.9,4.5) 5(-7.9,4) 6(-7.9,3.5) 7(-7.9,3) 8(-7.9,2.5) 9(-7.9,2) 10(-7.9,1.5) 11(-7.9,1) 12(-7.9,0.5) 13(-7.9,0) 14(-7.9,-0.5) 15(-7.9,-1) 16(-7.9,-1.5) 17(-7.9,-2) 18(-7.9,-2.5) 19(-7.9,-3) 20(-7.9,-3.5) 21(-7.9,-4) 22(-7.9,-4.5) 23(-7.9,-5) 24(-7.9,-5.5) 25(-7.9,-6) 51(7.9,-6) 52(7.9,-5.5) 53(7.9,-5) 54(7.9,-4.5) 55(7.9,-4) 56(7.9,-3.5) 57(7.9,-3) 58(7.9,-2.5) 59(7.9,-2) 60(7.9,-1.5) 61(7.9,-1) 62(7.9,-0.5) 63(7.9,0) 64(7.9,0.5) 65(7.9,1) 66(7.9,1.5) 67(7.9,2) 68(7.9,2.5) 69(7.9,3) 70(7.9,3.5) 71(7.9,4) 72(7.9,4.5) 73(7.9,5) 74(7.9,5.5) 75(7.9,6)
  oval 0.28x1.5 smd: 26(-6,-7.9) 27(-5.5,-7.9) 28(-5,-7.9) 29(-4.5,-7.9) 30(-4,-7.9) 31(-3.5,-7.9) 32(-3,-7.9) 33(-2.5,-7.9) 34(-2,-7.9) 35(-1.5,-7.9) 36(-1,-7.9) 37(-0.5,-7.9) 38(0,-7.9) 39(0.5,-7.9) 40(1,-7.9) 41(1.5,-7.9) 42(2,-7.9) 43(2.5,-7.9) 44(3,-7.9) 45(3.5,-7.9) 46(4,-7.9) 47(4.5,-7.9) 48(5,-7.9) 49(5.5,-7.9) 50(6,-7.9) 76(6,7.9) 77(5.5,7.9) 78(5,7.9) 79(4.5,7.9) 80(4,7.9) 81(3.5,7.9) 82(3,7.9) 83(2.5,7.9) 84(2,7.9) 85(1.5,7.9) 86(1,7.9) 87(0.5,7.9) 88(0,7.9) 89(-0.5,7.9) 90(-1,7.9) 91(-1.5,7.9) 92(-2,7.9) 93(-2.5,7.9) 94(-3,7.9) 95(-3.5,7.9) 96(-4,7.9) 97(-4.5,7.9) 98(-5,7.9) 99(-5.5,7.9) 100(-6,7.9)
  silkscreen extent -8.02,-6.6 6.6,6.81, body extent -8.01,-8.01 8.01,8.01, height 1.55
"ON SEMI SOT-223 ST(318H)" [mm] "SOT223, 4-Leads, Body 6.50x7.00mm (avg), Pitch 2.30mm, IPC Medium Density"
  rect 2x1.5 smd: 1(-3.15,2.3) 2(-3.15,0) 3(-3.15,-2.3)
  rect 2x3.8 smd: 4(3.15,0)
  silkscreen extent -3.27,-3.35 1.85,3.72, body extent -3.52,-3.25 3.5,3.25, height 1.8
OSH_LOGO [mm]
  silkscreen extent -6.3,-5 6.3,6.3
"POWER PAK SO-8" [mm]
  rect 0.41x0.82 smd: 1(0,0) 2(1.27,0) 3(2.54,0) 4(3.81,0)
  rect 0.595x0.61 smd: 5(-0.4,2.715) 5(4.2,2.715)
  rect 4.061x3.63 smd: 5(1.905,3.516)
  rect 5x0.51 smd: 5(1.905,5.586)
  silkscreen extent -0.5,-0.9 4.3,2
PROG_PORT [mil] "2X3 PROGRAMMING PORT"
  round 80 hole 40: 1(0,0) 2(100,0) 3(200,0) 4(0,-100) 5(100,-100) 6(200,-100)
  silkscreen extent -60,-160 260,60
PTH-M3.5 [mm] "Free fit for M3.5 screw"
  round 7 hole 3.8: 1(0,0)
  body extent -3.5,-3.5 3.5,3.5, height 2.7
"RECOM POWER R-78E3.3-1.0" [mm] "Linear Regulator Replacement DC DC Converter 1 Output 3.3V 1A 8V - 28V Input"
  round 1.55 hole 0.95: 1(-2.54,-2.25) 2(0,-2.25) 3(2.54,-2.25)
  silkscreen extent -5.9,-4.35 5.9,4.35, body extent -5.8,-4.25 5.8,4.25, height 10.9
"RES 0402_1005" [mm] "Chip Resistor, 2-Leads, Body 1.0x0.5mm, IPC Medium Density"
  rect 0.75x0.6 smd: 1(-0.575,0) 2(0.575,0)
  silkscreen extent -1.14,-0.51 1.14,0.51, body extent -0.5,-0.25 0.5,0.25, height 0.35
"RES 0603_1608" [mm] "Chip Resistor, 2-Leads, Body 1.60x0.80mm, IPC Medium Density"
  rect 0.85x0.95 smd: 1(-0.65,0) 2(0.65,0)
  silkscreen extent -1.27,-0.7 1.27,0.7, body extent -0.8,-0.4 0.8,0.4, height 0.45
"RES 2512_6432" [mm] "Chip Resistor, 2-Leads, Body 6.30x3.15mm, IPC Medium Density"
  rect 1.6x3.65 smd: 1(-3.175,0) 2(3.175,0)
  silkscreen extent -4.3,-2.05 4.3,2.05, body extent -3.15,-1.57 3.15,1.57, height 0.7
"RESNET 1206-8 CONVEX" [mm] "4 resistor 3.20x1.60mm, 0.7mm high"
  rect 0.9x0.45 smd: 1(-0.85,1.2) 2(-0.85,0.4) 3(-0.85,-0.4) 4(-0.85,-1.2) 5(0.85,-1.2) 6(0.85,-0.4) 7(0.85,0.4) 8(0.85,1.2)
  silkscreen extent -1.6,-1.73 1.6,1.73, body extent -0.84,-1.62 0.84,1.63, height 0.71
"SMSC QFN-24 4X4MM" [mm] "QFN, 24-Leads, Body 4.1x4.1mm (max), Pitch 0.50mm, IPC Medium Density"
  rrect50% 0.65x0.25 smd: 1(-2.025,1.25) 2(-2.025,0.75) 3(-2.025,0.25) 4(-2.025,-0.25) 5(-2.025,-0.75) 6(-2.025,-1.25) 13(2.025,-1.25) 14(2.025,-0.75) 15(2.025,-0.25) 16(2.025,0.25) 17(2.025,0.75) 18(2.025,1.25)
  rrect50% 0.25x0.65 smd: 7(-1.25,-2.025) 8(-0.75,-2.025) 9(-0.25,-2.025) 10(0.25,-2.025) 11(0.75,-2.025) 12(1.25,-2.025) 19(1.25,2.025) 20(0.75,2.025) 21(0.25,2.025) 22(-0.25,2.025) 23(-0.75,2.025) 24(-1.25,2.025)
  rect 2.8x2.8 smd: 25(0,0)
  silkscreen extent -2.61,-2.05 2.05,2.05, body extent -2.05,-2.05 2.05,2.05, height 0.95
SOD123F [mm] "SODFL, 2-Leads, Body 1.60x3.50mm, IPC Medium Density"
  rect 1.2x1.2 smd: 1(-1.43,0) 2(1.43,0)
  silkscreen extent -2.41,-1.02 2.41,1.02, body extent -1.75,-0.8 1.75,0.8, height 1.1
SOD-123 [mm] "SOD, 2-Leads, Body 1.55x3.70mm, IPC Medium Density"
  rect 0.9x0.95 smd: 1(-1.575,0) 2(1.575,0)
  silkscreen extent -2.3,-0.92 2.41,0.92, body extent -1.86,-0.78 1.86,0.77, height 1.35
SOD-523 [mm] "Molded Diode, 2-Leads, Body 1.60x0.80mm, IPC Medium Density"
  rect 0.6x0.7 smd: 1(-0.71,0) 2(0.71,0)
  silkscreen extent -1.27,-0.6 1.47,0.6, body extent -0.8,-0.4 0.8,0.4, height 0.82
SOT143B [mm] "SOT143, 4-Leads, Body 2.90x2.30mm, Pitch 1.90mm, IPC Medium Density"
  rect 1.15x1 smd: 1(-1.075,0.75)
  rect 1.15x0.6 smd: 2(-1.075,-0.95) 3(1.075,-0.95) 4(1.075,0.95)
  silkscreen extent -1.12,-1.5 0.7,1.6, body extent -1.1,-1.45 1.1,1.45, height 1
"ST SOT-143-4" [mm] "SOT143, 4-Leads, Body 2.92x2.37mm, Pitch 1.90mm, IPC Medium Density"
  rect 1x1.05 smd: 1(-1.2,0.75)
  rect 1x0.65 smd: 2(-1.2,-0.95) 3(1.2,-0.95) 4(1.2,0.95)
  silkscreen extent -1.25,-1.5 0.7,1.62, body extent -1.19,-1.46 1.19,1.46, height 1.05